# KiCad board processed.kicad_pcb (continued)
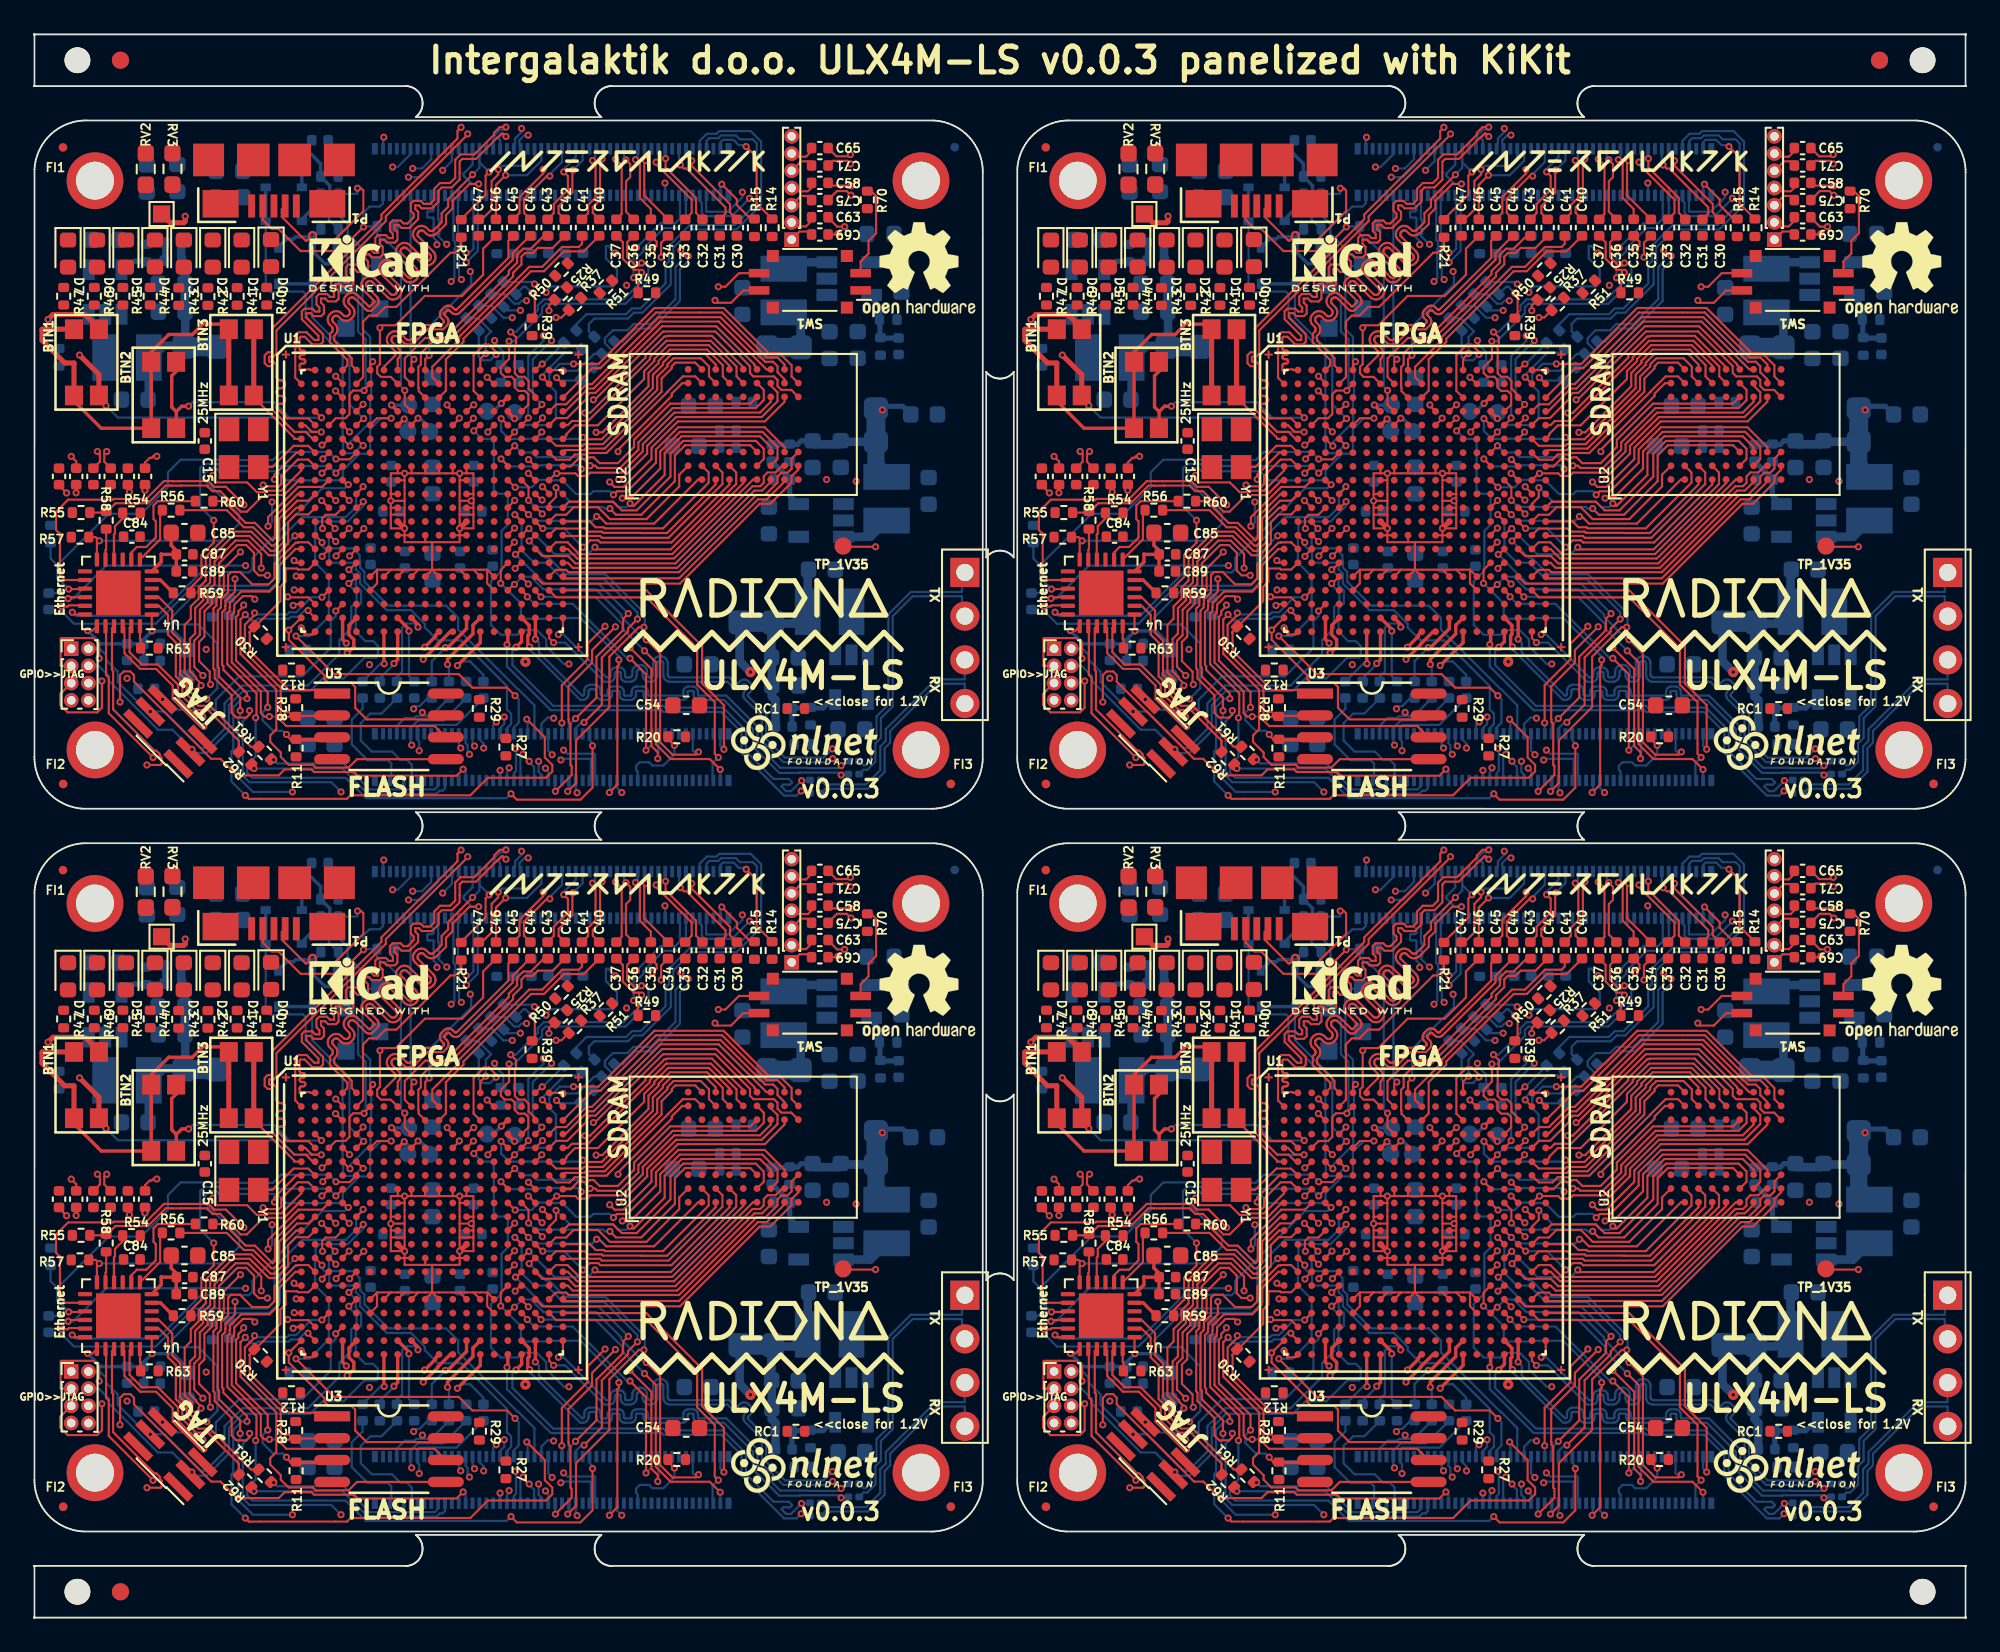
[diagram p0: board, top side]
## Routing (per net, layer and track width the routed paths; a pad name or vN(x,y) marks a point on that pad's centre or on a via; arc(x,y) is an arc through that point) (continued)
  Bottom w0.127: v1(46.37,50.49) 45.86,49.97 43.61,49.97 42.53,51.06 42.53,52.49 41.49,53.52 41.48,53.54 41.46,53.57 41.46,53.6 41.46,53.62 41.46,53.65 41.48,53.67 41.49,53.7 41.6,53.8 41.65,53.86 41.68,53.94 41.7,54.01 41.7,54.09 41.68,54.17 41.65,54.24 41.6,54.3 41.5,54.41 41.43,54.45 41.36,54.49 41.29,54.51 41.21,54.51 41.13,54.49 41.06,54.45 40.99,54.41 40.89,54.3 40.87,54.28 40.84,54.27 40.82,54.26 40.79,54.26 40.76,54.27 40.74,54.28 40.72,54.3 40.38,54.63 36.97,54.63 36.93,54.64 36.9,54.65 36.87,54.67 36.84,54.7 36.82,54.73 36.8,54.77 36.8,54.81 36.8,55.46 36.79,55.55 36.76,55.63 36.71,55.71 36.65,55.77 36.57,55.82 36.49,55.85 36.4,55.86 36.35,55.86 36.26,55.85 36.17,55.82 36.1,55.77 36.03,55.71 35.99,55.63 35.96,55.55 35.95,55.46 35.95,54.81 35.94,54.77 35.93,54.73 35.91,54.7 35.88,54.67 35.85,54.65 35.81,54.64 35.77,54.63 35.73,54.64 35.7,54.65 35.67,54.67 35.64,54.7 35.62,54.73 35.6,54.77 35.6,54.81 35.6,54.96 35.59,55.05 35.56,55.13 35.51,55.21 35.45,55.27 35.37,55.32 35.29,55.35 35.2,55.36 35.15,55.36 35.06,55.35 34.97,55.32 34.9,55.27 34.83,55.21 34.79,55.13 34.76,55.05 34.75,54.96 34.75,54.81 34.74,54.77 34.73,54.73 34.71,54.7 34.68,54.67 34.65,54.65 34.61,54.64 34.57,54.63 34.42,54.63 34.4,54.63 34.38,54.64 34.36,54.65 34.35,54.67 34.33,54.69 34.33,54.71 34.33,54.73 34.33,54.88 34.32,54.95 34.29,55.02 34.25,55.08 34.2,55.14 34.14,55.18 34.07,55.2 33.99,55.21 33.8,55.21 33.73,55.2 33.66,55.18 33.6,55.14 33.54,55.08 33.5,55.02 33.48,54.95 33.47,54.88 33.47,54.73 33.47,54.71 33.46,54.69 33.45,54.67 33.43,54.65 33.42,54.64 33.39,54.63 33.37,54.63 33.24,54.63 30.75,57.13 v1(30.45,57.13)
Board_0-/serdes/CLK_1_P: length 69.4
  Top w0.127: v1(47.08,80.83) 46.65,80.83 46.12,81.36 C63.2 ; U1.Y19 29.91,56.92 v1(30.17,56.66)
  In2.Cu w0.127: v1(46.39,49.92) 47.48,49.92 47.71,50.15 47.71,51.54 49.34,53.16 49.34,61.14 52.19,63.99 52.19,65.98 53.15,66.94 53.15,75.4 52.54,76 52.48,76.05 52.4,76.09 52.32,76.11 52.23,76.11 52.15,76.09 52.07,76.05 52.01,76 51.9,75.89 51.88,75.87 51.85,75.86 51.81,75.85 51.78,75.85 51.75,75.86 51.72,75.87 51.69,75.89 51.66,75.93 51.64,75.96 51.62,75.99 51.61,76.02 51.61,76.05 51.62,76.08 51.64,76.11 51.66,76.14 52.24,76.72 52.3,76.79 52.33,76.87 52.35,76.95 52.35,77.03 52.33,77.12 52.3,77.19 52.24,77.26 52.17,77.33 52.11,77.38 52.03,77.42 51.95,77.44 51.86,77.44 51.78,77.42 51.7,77.38 51.64,77.33 51.05,76.74 51.03,76.72 51,76.71 50.96,76.7 50.93,76.7 50.9,76.71 50.87,76.72 50.84,76.74 50.81,76.78 50.79,76.8 50.77,76.83 50.77,76.87 50.77,76.9 50.77,76.93 50.79,76.96 50.81,76.99 51.39,77.57 51.45,77.64 51.48,77.72 51.5,77.8 51.5,77.88 51.48,77.97 51.45,78.04 51.39,78.11 51.33,78.18 51.26,78.23 51.18,78.27 51.1,78.29 51.02,78.29 50.93,78.27 50.86,78.23 50.79,78.18 50.2,77.59 50.18,77.57 50.15,77.56 50.12,77.55 50.08,77.55 50.05,77.56 50.02,77.57 50,77.59 49.96,77.63 49.94,77.65 49.93,77.68 49.92,77.72 49.92,77.75 49.93,77.78 49.94,77.81 49.96,77.84 50.07,77.94 50.12,78.01 50.16,78.09 50.18,78.17 50.18,78.25 50.16,78.34 50.12,78.41 50.07,78.48 49.67,78.88 49.67,78.9 49.54,79.03 49.44,79.03 49.35,78.94 48.73,78.94 47.08,80.58 v1(47.08,80.83)
  Bottom w0.127: v1(30.17,56.66) 30.84,56.66 33.12,54.38 33.39,54.38 33.47,54.39 33.54,54.41 33.6,54.45 33.65,54.5 33.69,54.57 33.72,54.64 33.73,54.71 33.73,54.86 33.73,54.88 33.73,54.9 33.75,54.92 33.76,54.93 33.78,54.95 33.8,54.95 33.82,54.96 33.97,54.96 33.99,54.95 34.02,54.95 34.03,54.93 34.05,54.92 34.06,54.9 34.07,54.88 34.07,54.86 34.07,54.71 34.08,54.64 34.1,54.57 34.14,54.5 34.2,54.45 34.26,54.41 34.33,54.39 34.4,54.38 34.6,54.38 34.69,54.39 34.77,54.42 34.85,54.47 34.91,54.53 34.96,54.61 34.99,54.69 35,54.78 35,54.93 35,54.97 35.02,55.01 35.04,55.04 35.07,55.07 35.1,55.09 35.13,55.1 35.17,55.11 35.21,55.1 35.25,55.09 35.28,55.07 35.31,55.04 35.33,55.01 35.34,54.97 35.35,54.93 35.35,54.78 35.36,54.69 35.39,54.61 35.43,54.53 35.5,54.47 35.57,54.42 35.66,54.39 35.75,54.38 35.8,54.38 35.89,54.39 35.97,54.42 36.05,54.47 36.11,54.53 36.16,54.61 36.19,54.69 36.2,54.78 36.2,55.43 36.2,55.47 36.22,55.51 36.24,55.54 36.27,55.57 36.3,55.59 36.33,55.6 36.37,55.61 36.41,55.6 36.45,55.59 36.48,55.57 36.51,55.54 36.53,55.51 36.54,55.47 36.55,55.43 36.55,54.78 36.56,54.69 36.59,54.61 36.63,54.53 36.7,54.47 36.77,54.42 36.86,54.39 36.95,54.38 40.28,54.38 40.55,54.1 40.61,54.06 40.68,54.02 40.76,54 40.84,54 40.92,54.02 40.99,54.06 41.05,54.1 41.16,54.21 41.18,54.23 41.2,54.24 41.23,54.25 41.26,54.25 41.29,54.24 41.31,54.23 41.33,54.21 41.4,54.14 41.42,54.12 41.43,54.09 41.44,54.07 41.44,54.04 41.43,54.01 41.42,53.99 41.4,53.97 41.3,53.86 41.25,53.8 41.21,53.73 41.2,53.65 41.2,53.57 41.21,53.49 41.25,53.42 41.3,53.36 42.27,52.38 42.27,50.95 43.51,49.71 46.01,49.71 46.22,49.92 v1(46.39,49.92)
Board_0-/serdes/S_1_N: length 3.3
  Top w0.2: v1(20.89,55.45) 21.11,55.67 U1.Y8
  Bottom w0.127: v1(20.89,55.45) 20.89,55.41 20.07,54.59 C68.1
Board_0-/serdes/S_1_P: length 3.6
  Top w0.2: U1.Y7 20.31,55.44 v1(20.33,55.43)
  Bottom w0.127: v1(20.33,55.43) 20.1,55.43 C62.2
Board_0-/serdes/S_2_N: length 32.6
  Top w0.127: v1(5.52,65.42) 5.52,65.75 C72.1
  Top w0.2: U1.W5 18.28,57.66 18.28,57.12 18.56,56.83 18.56,56.41 18.2,56.06 v1(18.17,56.06)
  In2.Cu w0.127: v1(5.52,65.42) 5.87,65.07 5.87,63.15 7.07,61.95 7.46,61.95 8.56,63.05 8.74,63.05 8.74,62.87 7.2,61.33 7.2,60.95 7.36,60.79 7.74,60.79 8.82,61.87 9,61.87 9,61.69 7.92,60.61 7.92,60.23 8.08,60.07 8.46,60.07 9.36,60.97 9.54,60.97 9.54,60.8 8.64,59.89 8.64,59.52 8.8,59.35 9.17,59.35 9.34,59.51 9.5,59.51 11.4,57.62 12.98,57.62 13.67,56.92 13.67,56.74 13.42,56.49 13.42,56.31 13.6,56.31 13.85,56.56 14.03,56.56 14.03,56.38 14.03,56.38 14.03,56.2 14.21,56.2 14.21,56.21 14.39,56.21 14.62,55.98 18.09,55.98 v1(18.17,56.06)
Board_0-/serdes/S_2_P: length 30
  Top w0.127: v1(6.42,65.51) 6.43,65.52 C55.2
  Top w0.2: U1.W4 17.91,56.84 v1(18.12,56.62)
  In2.Cu w0.127: v1(18.12,56.62) 17.75,56.25 14.71,56.25 13.09,57.87 11.51,57.87 9.61,59.77 9.23,59.77 9.07,59.6 8.91,59.6 8.89,59.62 8.89,59.78 9.8,60.69 9.8,61.08 9.65,61.23 9.26,61.23 8.35,60.32 8.19,60.32 8.17,60.34 8.17,60.5 9.25,61.59 9.25,61.98 9.11,62.12 8.72,62.12 7.63,61.04 7.47,61.04 7.45,61.06 7.45,61.22 9,62.76 9,63.15 8.85,63.3 8.46,63.3 7.35,62.2 7.17,62.2 6.14,63.23 6.14,65.23 v1(6.42,65.51)
Board_0-/serdes/S_3_N: length 5
  Top w0.2: U1.W9 22.29,57.72 v1(22.29,57.56)
  Bottom w0.127: C73.1 21.07,54.68 21.36,54.97 21.36,57.51 21.62,57.77 22.08,57.77 v1(22.29,57.56)
Board_0-/serdes/S_3_P: length 4.1
  Top w0.2: U1.W8 21.76,57.44 v1(21.76,57.33)
  Bottom w0.127: C56.2 21.76,54.7 v1(21.76,57.33)
Board_0-/serdes/S_4_P: length 4.8
  Top w0.2: U1.Y14 25.91,56.66 v1(24.58,55.33)
  Bottom w0.127: C64.2 26.09,54.78 25.31,55.56 24.82,55.56 v1(24.58,55.33)
Board_0-/serdes/S_5_N: length 72
  Top w0.127: C71.1 46.39,84.66 47.24,84.66 v1(47.42,84.47)
  Top w0.2: v1(27.98,56.39) 28.31,56.72 U1.Y17
  In2.Cu w0.127: v1(44.58,48.64) 45.15,48.06 47.91,48.06 48.97,49.13 48.97,51.48 51.59,54.1 51.59,61.16 54.03,63.6 54.03,77.76 49.21,82.58 49.21,83.4 48,84.62 47.57,84.62 v1(47.42,84.47)
  Bottom w0.127: C93.2 45.03,48.64 v1(44.58,48.64) 43.97,48.03 43.68,48.03 43.41,48.3 43.52,48.41 43.91,48.41 44.01,48.51 44.01,48.57 43.84,48.74 42.95,48.74 41.35,50.34 41.35,51.55 40.02,52.88 36.65,52.88 36.55,52.98 30.15,52.98 27.78,55.35 27.78,56.18 v1(27.98,56.39)
Board_0-/serdes/S_5_P: length 71.7
  Top w0.127: v1(47.42,85.02) 47.32,84.92 46.6,84.92 C65.2
  Top w0.2: v1(27.46,56.54) 27.51,56.59 U1.Y16
  In2.Cu w0.127: v1(44.56,48.04) 44.79,47.81 48.01,47.81 49.23,49.02 49.23,51.37 51.85,53.99 51.85,61.05 54.29,63.49 54.29,77.87 49.47,82.69 49.47,83.51 48.1,84.87 47.57,84.87 v1(47.42,85.02)
  Bottom w0.127: C94.2 44.97,47.99 44.79,47.99 44.74,48.04 v1(44.56,48.04) 44.29,47.77 43.56,47.77 41.09,50.23 41.09,51.44 39.91,52.62 36.55,52.62 36.44,52.73 30.01,52.73 27.46,55.27 v1(27.46,56.54)
Board_0-/serdes/S_6_N: length 4.5
  Top w0.2: v1(24,55.39) 24,55.69 25.48,57.17 25.48,57.67 U1.W14
  Bottom w0.127: C74.1 24.09,55.3 v1(24,55.39)
Board_0-/serdes/S_6_P: length 4.6
  Top w0.2: v1(23.88,56.37) 24.01,56.37 25.11,57.46 U1.W13
  Bottom w0.127: v1(23.88,56.37) 23.09,55.57 C57.2
Board_0-/serdes/S_7_N: length 70.3
  Top w0.127: C75.1 46.12,82.39 46.63,82.9 47.21,82.9 v1(47.45,82.65)
  Top w0.2: U1.W18 29.11,56.86 v1(29.11,56.86)
  In2.Cu w0.127: v1(46.88,49.51) 47.04,49.35 47.75,49.35 48.23,49.83 48.23,51.58 50.49,53.84 50.49,61.38 52.76,63.66 52.76,65.82 53.48,66.53 53.48,77.25 51.07,79.66 51.04,79.68 51,79.7 50.97,79.71 50.93,79.71 50.9,79.7 50.86,79.68 50.84,79.66 50.44,79.26 50.37,79.2 50.28,79.16 50.19,79.14 50.1,79.14 50.01,79.16 49.93,79.2 49.85,79.26 49.82,79.3 49.76,79.37 49.72,79.45 49.7,79.54 49.7,79.64 49.72,79.73 49.76,79.81 49.82,79.88 50.22,80.28 50.24,80.31 50.25,80.34 50.26,80.38 50.26,80.41 50.25,80.45 50.24,80.48 50.22,80.51 49.71,81.02 49.66,81.06 49.6,81.09 49.54,81.1 49.47,81.1 49.41,81.09 49.36,81.06 49.26,80.98 49.2,80.95 49.14,80.94 49.07,80.94 49.01,80.95 48.96,80.98 48.91,81.02 48.88,81.05 48.84,81.09 48.81,81.15 48.8,81.21 48.8,81.28 48.81,81.34 48.84,81.39 48.92,81.49 48.95,81.55 48.96,81.61 48.96,81.68 48.95,81.74 48.92,81.79 48.88,81.84 47.94,82.79 47.58,82.79 v1(47.45,82.65)
  Bottom w0.127: C91.2 47.15,49.78 v1(46.88,49.51) 46.73,49.36 44.95,49.36 44.93,49.38 43.34,49.38 42.02,50.71 42.02,51.77 40.21,53.58 38.63,53.58 38.62,53.58 38.6,53.59 38.59,53.59 38.58,53.61 38.57,53.62 38.56,53.63 38.56,53.65 38.56,53.8 38.55,53.87 38.53,53.93 38.49,53.99 38.44,54.04 38.39,54.07 38.32,54.1 38.25,54.1 38.01,54.1 37.95,54.1 37.88,54.07 37.82,54.04 37.77,53.99 37.74,53.93 37.71,53.87 37.71,53.8 37.71,53.65 37.7,53.63 37.7,53.62 37.69,53.61 37.68,53.59 37.66,53.59 37.65,53.58 37.63,53.58 35.73,53.58 35.71,53.58 35.69,53.59 35.68,53.59 35.67,53.61 35.66,53.62 35.66,53.63 35.65,53.65 35.65,53.8 35.65,53.87 35.62,53.93 35.59,53.99 35.54,54.04 35.48,54.07 35.41,54.1 35.35,54.1 35.01,54.1 34.94,54.1 34.87,54.07 34.82,54.04 34.77,53.99 34.73,53.93 34.71,53.87 34.7,53.8 34.7,53.65 34.7,53.63 34.69,53.62 34.68,53.61 34.67,53.59 34.66,53.59 34.64,53.58 34.63,53.58 34.33,53.58 34.31,53.58 34.29,53.59 34.28,53.59 34.27,53.61 34.26,53.62 34.26,53.63 34.25,53.65 34.25,53.8 34.25,53.87 34.22,53.93 34.19,53.99 34.14,54.04 34.08,54.07 34.01,54.1 33.95,54.1 33.61,54.1 33.54,54.1 33.47,54.07 33.42,54.04 33.37,53.99 33.33,53.93 33.31,53.87 33.3,53.8 33.3,53.65 33.3,53.63 33.29,53.62 33.28,53.61 33.27,53.59 33.26,53.59 33.24,53.58 33.23,53.58 33.03,53.58 33,53.58 32.97,53.59 32.95,53.6 32.93,53.62 32.92,53.65 32.91,53.67 32.9,53.7 32.9,53.85 32.89,53.93 32.87,54 32.83,54.07 32.77,54.13 32.7,54.17 32.63,54.2 32.55,54.2 32.3,54.2 32.23,54.2 32.15,54.17 32.08,54.13 32.03,54.07 31.98,54 31.96,53.93 31.95,53.85 31.95,53.7 31.95,53.67 31.94,53.65 31.92,53.62 31.9,53.6 31.88,53.59 31.85,53.58 31.83,53.58 29.32,56.09 29.32,56.65 v1(29.11,56.86)
Board_0-/serdes/S_7_P: length 70.9
  Top w0.127: v1(47.46,83.21) 47.45,83.22 46.28,83.22 C58.2
  Top w0.2: v1(28.78,56.41) 28.67,56.52 28.67,57.07 28.75,57.14 28.75,57.66 U1.W17
  In2.Cu w0.127: v1(46.88,48.96) 46.99,49.08 47.84,49.08 48.49,49.72 48.49,51.47 50.75,53.74 50.75,61.29 53.02,63.55 53.02,65.71 53.73,66.43 53.73,77.38 51.24,79.87 51.17,79.93 51.09,79.97 51,79.99 50.9,79.99 50.81,79.97 50.73,79.93 50.66,79.87 50.26,79.47 50.23,79.45 50.2,79.44 50.16,79.43 50.13,79.43 50.09,79.44 50.06,79.45 50.03,79.47 50.01,79.5 49.99,79.54 49.98,79.57 49.98,79.61 49.99,79.64 50.01,79.68 50.03,79.7 50.43,80.1 50.49,80.17 50.53,80.26 50.55,80.35 50.55,80.44 50.53,80.53 50.49,80.61 50.43,80.69 48.07,83.05 47.62,83.05 v1(47.46,83.21)
  Bottom w0.127: C92.2 46.93,49.02 v1(46.88,48.96) 46.73,49.11 44.48,49.11 44.45,49.09 43.28,49.09 41.76,50.61 41.76,51.63 40.07,53.32 38.61,53.32 38.55,53.33 38.48,53.35 38.42,53.39 38.37,53.44 38.34,53.5 38.31,53.56 38.31,53.63 38.31,53.78 38.3,53.79 38.3,53.81 38.29,53.82 38.28,53.84 38.26,53.84 38.25,53.85 38.23,53.85 38.03,53.85 38.02,53.85 38,53.84 37.99,53.84 37.98,53.82 37.97,53.81 37.96,53.79 37.96,53.78 37.96,53.63 37.95,53.56 37.93,53.5 37.89,53.44 37.84,53.39 37.79,53.35 37.72,53.33 37.65,53.32 35.71,53.32 35.64,53.33 35.57,53.35 35.52,53.39 35.47,53.44 35.43,53.5 35.41,53.56 35.4,53.63 35.4,53.78 35.4,53.79 35.39,53.81 35.38,53.82 35.37,53.84 35.36,53.84 35.34,53.85 35.33,53.85 35.03,53.85 35.01,53.85 34.99,53.84 34.98,53.84 34.97,53.82 34.96,53.81 34.96,53.79 34.95,53.78 34.95,53.63 34.95,53.56 34.92,53.5 34.89,53.44 34.84,53.39 34.78,53.35 34.71,53.33 34.65,53.32 34.31,53.32 34.24,53.33 34.17,53.35 34.12,53.39 34.07,53.44 34.03,53.5 34.01,53.56 34,53.63 34,53.78 34,53.79 33.99,53.81 33.98,53.82 33.97,53.84 33.96,53.84 33.94,53.85 33.93,53.85 33.63,53.85 33.61,53.85 33.59,53.84 33.58,53.84 33.57,53.82 33.56,53.81 33.56,53.79 33.55,53.78 33.55,53.63 33.55,53.56 33.52,53.5 33.49,53.44 33.44,53.39 33.38,53.35 33.31,53.33 33.25,53.32 33,53.32 32.93,53.33 32.85,53.36 32.78,53.4 32.73,53.46 32.68,53.53 32.66,53.6 32.65,53.68 32.65,53.83 32.65,53.86 32.64,53.88 32.62,53.9 32.6,53.92 32.58,53.94 32.55,53.95 32.53,53.95 32.33,53.95 32.3,53.95 32.27,53.94 32.25,53.92 32.23,53.9 32.22,53.88 32.21,53.86 32.2,53.83 32.2,53.68 32.19,53.6 32.17,53.53 32.13,53.46 32.07,53.4 32,53.36 31.93,53.33 31.85,53.32 31.72,53.32 28.78,56.26 v1(28.78,56.41)
Board_0-BTN1: length 25.5
  Top w0.127: v1(4.16,70.43) 4.16,70.61 BTN1.2 ; U1.E1 15.73,69.3 16.12,68.9 16.66,68.9 v1(16.67,68.9)
  Top w0.3: BTN1.2 3.75,72.24 v1(2.62,73.37) ; BTN1.2 3.75,74.92 2.94,75.72 1.08,75.72 v1(0.79,75.44)
  In2.Cu w0.3: v1(2.62,73.37) 1.03,73.37 0.5,73.9 0.5,75.15 v1(0.79,75.44)
  Bottom w0.127: v1(16.67,68.9) 15.1,68.9 14.26,69.74 4.85,69.74 v1(4.16,70.43)
Board_0-BTN2: length 13.6
  Top w0.127: U1.D2 v1(16.68,69.73)
  Top w0.2: 8.25,70.08 7.98,70.35 7.98,72.17 8.23,72.42 BTN2.2 ; 8.25,70.08 8.25,69.13 BTN2.2 ; 8.25,70.08 8.56,70.4 v1(8.96,70.4)
  Bottom w0.127: v1(8.96,70.4) 9.19,70.63 13.92,70.63 14.82,69.73 v1(16.68,69.73)
Board_0-BTN3: length 7.8
  Top w0.127: U1.F1 15.1,68.5 15.1,68.56 12.75,70.91 BTN3.2
  Top w0.3: BTN3.2 BTN3.2
Board_0-CAM0_C_N: length 31.9
  Top w0.127: U1.E2 15.92,69.69 14.69,69.69 14.06,70.31 14.07,70.36 14.09,70.41 14.11,70.45 14.15,70.49 14.19,70.51 14.24,70.53 14.29,70.54 14.34,70.54 14.39,70.54 14.44,70.56 14.48,70.59 14.51,70.62 14.54,70.66 14.56,70.71 14.56,70.76 14.56,70.81 14.54,70.86 14.51,70.9 14.48,70.94 14.44,70.97 14.39,70.98 14.34,70.99 14.29,70.99 14.24,71 14.19,71.01 14.15,71.04 14.11,71.08 14.09,71.12 14.07,71.17 14.06,71.22 14.07,71.27 14.09,71.32 14.11,71.36 14.15,71.39 14.19,71.42 14.24,71.44 14.29,71.44 14.34,71.44 14.39,71.45 14.44,71.47 14.48,71.49 14.51,71.53 14.54,71.57 14.56,71.62 14.56,71.67 14.56,71.72 14.54,71.77 14.51,71.81 14.48,71.85 14.44,71.88 14.39,71.89 14.34,71.9 14.29,71.9 14.24,71.9 14.19,71.92 14.15,71.95 14.11,71.98 14.09,72.03 14.07,72.07 14.06,72.13 14.06,72.8 13.89,72.98 13.66,72.98 13.64,73 13.64,73.25 13.66,73.27 13.89,73.27 14.06,73.45 14.06,74.8 20.42,81.16 20.42,81.43 25.18,86.18 v1(25.18,86.22)
  In2.Cu w0.127: v1(25.18,86.22) 24.97,86.22 24.53,85.77 24.53,85.58 24.75,85.35 26.23,85.35 26.23,85.36 26.26,85.35 27.33,85.35 28.31,86.33 v1(28.31,86.53)
  Bottom w0.127: J2.40 27.86,85.57 27.93,85.64 27.93,85.95 28.31,86.33 v1(28.31,86.53)
Board_0-CAM0_C_P: length 32.3
  Top w0.127: U1.F2 16.17,68.5 15.76,68.9 15.11,68.9 13.81,70.2 13.81,72.7 13.79,72.72 13.55,72.72 13.38,72.9 13.38,73.35 13.55,73.53 13.79,73.53 13.81,73.55 13.81,74.91 20.17,81.26 20.17,81.53 24.58,85.95 24.58,86.39 v1(24.79,86.6)
  In2.Cu w0.127: v1(24.79,86.6) 24.79,86.4 24.27,85.88 24.27,85.47 24.65,85.1 27.44,85.1 28.49,86.15 v1(28.69,86.15)
  Bottom w0.127: J2.42 28.26,85.57 28.19,85.64 28.19,85.85 28.49,86.15 v1(28.69,86.15)
Board_0-CAM0_D0_N: length 32.1
  Top w0.127: v1(25.82,83.31) 25.29,83.31 24.3,82.32 24.3,81.88 23.92,81.5 23.92,80.98 23.37,80.44 23.3,80.38 23.21,80.33 23.11,80.31 23.01,80.31 22.92,80.33 22.83,80.38 22.75,80.44 22.64,80.55 22.6,80.58 22.56,80.6 22.51,80.61 22.47,80.61 22.42,80.6 22.38,80.58 22.34,80.55 22.33,80.53 22.3,80.5 22.28,80.45 22.27,80.41 22.27,80.32 22.28,80.29 22.29,80.27 23.18,79.39 23.18,79.38 23.24,79.3 23.28,79.21 23.31,79.11 23.31,79.01 23.28,78.92 23.24,78.82 23.18,78.75 23.14,78.71 23.06,78.64 22.97,78.6 22.87,78.58 22.77,78.58 22.67,78.6 22.58,78.64 22.5,78.71 21.65,79.56 21.61,79.59 21.57,79.61 21.52,79.62 21.48,79.62 21.43,79.61 21.39,79.59 21.35,79.56 21.34,79.55 21.31,79.51 21.29,79.46 21.28,79.42 21.28,79.37 21.29,79.32 22.19,78.42 22.19,78.39 22.25,78.31 22.29,78.22 22.32,78.12 22.32,78.02 22.29,77.93 22.25,77.83 22.19,77.76 22.15,77.72 22.07,77.65 21.98,77.61 21.88,77.59 21.78,77.59 21.68,77.61 21.59,77.65 21.51,77.72 20.66,78.57 20.62,78.6 20.58,78.62 20.53,78.63 20.49,78.63 20.44,78.62 20.4,78.6 20.36,78.57 20.35,78.56 20.32,78.52 20.3,78.47 20.29,78.43 20.29,78.38 20.3,78.33 20.32,78.29 21.2,77.41 21.2,77.4 21.26,77.32 21.3,77.23 21.33,77.13 21.33,77.03 21.3,76.94 21.26,76.84 21.2,76.77 21.16,76.73 21.08,76.66 20.99,76.62 20.89,76.6 20.79,76.6 20.69,76.62 20.6,76.66 20.52,76.73 19.64,77.61 19.6,77.64 19.56,77.66 19.51,77.67 19.46,77.67 19.41,77.66 19.37,77.64 19.33,77.61 19.3,77.57 19.27,77.52 19.26,77.47 19.26,77.42 19.27,77.38 19.92,76.73 19.92,76.69 19.97,76.64 20,76.58 20.01,76.52 20.01,76.45 20,76.38 19.97,76.32 19.92,76.27 19.67,76.02 19.62,75.98 19.56,75.95 19.5,75.93 19.43,75.93 19.36,75.95 19.3,75.98 19.25,76.02 18.62,76.65 18.58,76.68 18.53,76.71 18.49,76.72 18.44,76.72 18.39,76.71 18.34,76.68 18.3,76.65 18.27,76.61 18.25,76.57 18.24,76.52 18.24,76.47 18.25,76.42 18.27,76.38 18.3,76.34 18.47,76.17 18.53,76.09 18.58,76 18.6,75.9 18.6,75.8 18.58,75.7 18.53,75.61 18.47,75.53 18.42,75.48 18.34,75.42 18.25,75.38 18.16,75.36 18.06,75.36 17.96,75.38 17.87,75.42 17.79,75.48 17.69,75.59 17.65,75.62 17.6,75.64 17.56,75.65 17.51,75.65 17.46,75.64 17.42,75.62 17.38,75.59 17.37,75.58 17.34,75.54 17.32,75.5 17.31,75.45 17.31,75.4 17.32,75.36 17.34,75.31 17.37,75.28 17.48,75.17 17.54,75.09 17.58,75 17.61,74.91 17.61,74.81 17.58,74.71 17.54,74.62 17.48,74.54 17.43,74.49 17.43,74.2 18.44,73.19 18.44,72.77 U1.A5
  Bottom w0.127: J2.28 25.46,84.43 24.94,83.91 24.94,83.79 25.41,83.31 v1(25.82,83.31)
Board_0-CAM0_D0_P: length 36.1
  Top w0.127: v1(26.43,84) 26.22,83.79 26.22,82.68 24.8,81.26 R21.1 ; v1(25.46,83.85) 24.76,83.15 24.76,83.14 24.04,82.43 24.04,81.99 23.66,81.61 23.66,81.09 23.21,80.64 23.18,80.61 23.13,80.59 23.09,80.58 23.04,80.58 22.99,80.59 22.95,80.61 22.91,80.64 22.8,80.75 22.73,80.81 22.64,80.85 22.54,80.87 22.44,80.87 22.35,80.85 22.26,80.81 22.18,80.75 22.13,80.7 22.07,80.62 22.02,80.53 22,80.43 22,80.33 22.02,80.24 22.07,80.15 22.13,80.07 22.98,79.22 23.01,79.18 23.03,79.14 23.04,79.09 23.04,79.04 23.03,78.99 23.01,78.95 22.98,78.91 22.94,78.88 22.89,78.85 22.85,78.84 22.8,78.84 22.75,78.85 22.7,78.88 22.66,78.91 21.81,79.76 21.74,79.82 21.65,79.86 21.55,79.88 21.45,79.88 21.36,79.86 21.27,79.82 21.19,79.76 21.14,79.71 21.08,79.63 21.03,79.54 21.01,79.44 21.01,79.34 21.03,79.25 21.08,79.16 21.14,79.08 21.99,78.23 22.02,78.19 22.04,78.15 22.05,78.1 22.05,78.05 22.04,78 22.02,77.96 21.99,77.92 21.95,77.89 21.9,77.86 21.86,77.85 21.81,77.85 21.76,77.86 21.71,77.89 21.67,77.92 20.82,78.77 20.75,78.83 20.66,78.87 20.56,78.89 20.46,78.89 20.37,78.87 20.28,78.83 20.2,78.77 20.15,78.72 20.09,78.64 20.04,78.55 20.02,78.45 20.02,78.35 20.04,78.26 20.09,78.17 20.15,78.09 21,77.24 21.03,77.2 21.05,77.16 21.06,77.11 21.06,77.06 21.05,77.01 21.03,76.97 21,76.93 20.96,76.9 20.91,76.87 20.87,76.86 20.82,76.86 20.77,76.87 20.72,76.9 20.68,76.93 19.8,77.81 19.72,77.87 19.63,77.91 19.54,77.93 19.44,77.93 19.34,77.91 19.25,77.87 19.17,77.81 19.13,77.77 19.07,77.69 19.02,77.6 19,77.5 19,77.4 19.02,77.3 19.07,77.21 19.13,77.13 19.73,76.53 19.74,76.52 19.75,76.5 19.75,76.49 19.75,76.48 19.75,76.46 19.74,76.45 19.73,76.44 19.51,76.21 19.5,76.2 19.48,76.2 19.47,76.19 19.45,76.19 19.44,76.2 19.43,76.2 19.42,76.21 18.78,76.85 18.7,76.91 18.61,76.96 18.51,76.98 18.41,76.98 18.31,76.96 18.22,76.91 18.14,76.85 18.1,76.81 18.04,76.73 18,76.64 17.97,76.55 17.97,76.44 18,76.35 18.04,76.26 18.1,76.18 18.27,76.01 18.3,75.97 18.32,75.93 18.33,75.88 18.33,75.83 18.32,75.78 18.3,75.73 18.27,75.69 18.26,75.68 18.22,75.65 18.18,75.63 18.13,75.62 18.08,75.62 18.04,75.63 17.99,75.65 17.95,75.68 17.85,75.79 17.77,75.85 17.68,75.89 17.58,75.92 17.48,75.92 17.39,75.89 17.3,75.85 17.22,75.79 17.17,75.74 17.11,75.66 17.07,75.57 17.04,75.48 17.04,75.38 17.07,75.28 17.11,75.19 17.17,75.12 17.28,75.01 17.31,74.97 17.33,74.93 17.34,74.88 17.34,74.83 17.33,74.79 17.31,74.74 17.28,74.7 17.17,74.6 17.17,74.09 18.18,73.08 18.18,72.77 U1.A4
  Bottom w0.127: v1(26.43,84) 25.86,84.57 J2.30 25.86,84.25 v1(25.46,83.85)
Board_0-CAM0_D1_N: length 32
  Top w0.127: v1(27.4,86.61) 27.04,86.61 26.71,86.29 26.71,86.17 25.66,85.13 25.56,85.03 24.76,85.03 24.45,84.72 24.45,83.67 24.15,83.37 23.57,83.37 23.23,83.03 23.23,82.39 23,82.16 22.82,82.16 22.82,82.16 22.62,82.16 22.45,82.33 22.03,82.33 21.87,82.17 21.87,81.75 22.04,81.58 22.04,81.38 21.68,81.02 21.44,81.02 21.27,81.19 20.82,81.19 20.66,81.03 20.66,80.57 20.83,80.4 20.83,80.17 20.83,80.16 20.59,80.16 20.42,80.33 19.96,80.33 19.81,80.18 19.81,79.72 19.98,79.55 19.98,79.31 19.97,79.31 19.74,79.31 19.57,79.48 19.11,79.48 18.95,79.32 18.95,78.87 19.12,78.7 19.12,78.46 19.12,78.45 18.88,78.45 18.71,78.62 18.26,78.62 18.1,78.47 18.1,78.01 18.27,77.84 18.27,77.6 18.27,77.6 18.03,77.6 17.86,77.77 17.4,77.77 17.24,77.61 17.24,77.16 17.41,76.99 17.41,76.75 17.41,76.75 17.17,76.75 17,76.92 16.55,76.92 16.39,76.76 16.39,76.3 16.56,76.13 16.56,75.89 16.32,75.89 16.15,76.06 15.7,76.06 15.54,75.91 15.54,75.45 16.51,74.48 16.51,74.24 16.27,74.24 15.82,74.69 15.36,74.69 15.16,74.49 15.16,72.05 U1.B1
  Bottom w0.127: J2.34 26.66,85.85 26.73,85.92 26.73,86.14 27.06,86.47 27.25,86.47 v1(27.4,86.61)
Board_0-CAM0_D1_P: length 32
  Top w0.127: U1.A2 16.05,72.5 16.01,72.54 15.68,72.54 15.6,72.46 15.46,72.46 15.41,72.51 15.41,72.75 15.41,72.77 15.42,72.8 15.44,72.82 15.46,72.84 15.48,72.86 15.51,72.87 15.54,72.87 15.61,72.87 15.64,72.88 15.67,72.88 15.69,72.9 15.71,72.92 15.73,72.94 15.74,72.97 15.74,73 15.74,73.03 15.73,73.05 15.71,73.08 15.69,73.1 15.67,73.11 15.64,73.12 15.61,73.13 15.54,73.13 15.51,73.13 15.48,73.14 15.46,73.15 15.44,73.17 15.42,73.2 15.41,73.22 15.41,73.25 15.41,73.28 15.42,73.31 15.44,73.33 15.46,73.35 15.48,73.37 15.51,73.38 15.54,73.38 15.61,73.38 15.64,73.38 15.67,73.39 15.69,73.41 15.71,73.43 15.73,73.45 15.74,73.48 15.74,73.51 15.74,73.54 15.73,73.56 15.71,73.59 15.69,73.61 15.67,73.62 15.64,73.63 15.61,73.63 15.54,73.63 15.51,73.64 15.48,73.65 15.46,73.66 15.44,73.68 15.42,73.71 15.41,73.73 15.41,73.76 15.41,74.37 15.47,74.43 15.71,74.43 16.16,73.98 16.62,73.98 16.77,74.13 16.77,74.59 15.8,75.56 15.8,75.8 15.8,75.8 16.04,75.8 16.21,75.63 16.67,75.63 16.82,75.79 16.82,76.24 16.65,76.41 16.65,76.65 16.66,76.65 16.89,76.65 17.06,76.48 17.52,76.48 17.68,76.64 17.68,77.1 17.51,77.27 17.51,77.5 17.51,77.51 17.75,77.51 17.92,77.34 18.37,77.34 18.53,77.49 18.53,77.95 18.36,78.12 18.36,78.36 18.36,78.36 18.6,78.36 18.77,78.19 19.23,78.19 19.38,78.35 19.38,78.8 19.22,78.97 19.22,79.21 19.22,79.22 19.46,79.22 19.63,79.05 20.08,79.05 20.24,79.2 20.24,79.66 20.07,79.83 20.07,80.07 20.07,80.07 20.31,80.07 20.48,79.9 20.94,79.9 21.09,80.06 21.09,80.51 20.92,80.68 20.92,80.92 20.93,80.92 21.17,80.92 21.33,80.75 21.79,80.75 22.3,81.27 22.3,81.69 22.13,81.86 22.13,82.06 22.14,82.06 22.34,82.06 22.51,81.89 23.1,81.89 23.49,82.28 23.49,82.92 23.67,83.11 24.25,83.11 24.71,83.56 24.71,83.97 24.71,83.97 24.71,84.62 24.86,84.77 25.66,84.77 26.89,86 26.9,86 27.14,86.24 27.23,86.24 v1(27.4,86.07)
  Bottom w0.127: v1(27.4,86.07) 27.25,86.21 27.17,86.21 26.98,86.03 26.98,85.92 27.06,85.85 J2.36
Board_0-CAM1_C_N: length 20.3
  Top w0.127: U1.F3 16.75,68.14 v1(16.71,68.14)
  In2.Cu w0.127: v1(25.09,79.31) 24.79,79.31 22.27,76.78 22.27,75 19.85,72.58 19.18,72.58 18.22,71.62 18.22,71.13 18.21,71.1 18.2,71.07 18.19,71.05 18.17,71.03 18.14,71.01 18.12,71 18.09,71 17.9,71 17.87,71 17.84,70.99 17.82,70.97 17.8,70.95 17.78,70.93 17.77,70.9 17.77,70.87 17.77,70.85 17.78,70.82 17.8,70.8 17.82,70.77 17.84,70.76 17.87,70.75 17.9,70.75 18.09,70.75 18.12,70.74 18.14,70.73 18.17,70.72 18.19,70.7 18.2,70.68 18.21,70.65 18.22,70.62 17.7,70.1 17.69,70.1 17.68,70.09 17.67,70.09 17.66,70.09 17.65,70.09 17.64,70.1 17.62,70.11 17.61,70.12 17.6,70.12 17.59,70.12 17.58,70.12 17.57,70.11 17.56,70.1 17.45,69.99 17.44,69.99 17.44,69.98 17.43,69.97 17.43,69.95 17.44,69.94 17.44,69.93 17.46,69.92 17.46,69.91 17.46,69.89 17.46,69.88 17.46,69.87 17.46,69.86 17.45,69.85 17.34,69.74 17.33,69.74 17.32,69.73 17.31,69.73 17.3,69.73 17.29,69.73 17.28,69.74 17.26,69.75 17.25,69.76 17.24,69.76 17.23,69.76 17.22,69.76 17.21,69.75 17.2,69.74 17.09,69.64 17.08,69.63 17.08,69.62 17.08,69.61 17.08,69.59 17.08,69.58 17.08,69.57 17.1,69.56 17.1,69.55 17.1,69.54 17.1,69.52 17.1,69.51 17.1,69.5 17.09,69.49 17.09,68.63 16.71,68.26 v1(16.71,68.14)
  Bottom w0.127: v1(25.09,79.31) 25.27,79.31 25.51,79.55 25.51,82.59 J2.27
Board_0-CAM1_C_P: length 20.3
  Top w0.127: U1.G3 16.76,67.34 v1(16.76,67.33)
  In2.Cu w0.127: v1(16.76,67.33) 17.13,67.7 17.13,68.32 17.35,68.54 17.35,69.4 18.49,70.54 18.49,71.54 19.28,72.33 19.95,72.33 22.52,74.9 22.52,76.67 24.61,78.75 v1(25.1,78.75)
  Bottom w0.127: J2.29 25.77,82.55 25.77,79.42 v1(25.1,78.75)
Board_0-CAM1_D0_N: length 19.3
  Top w0.127: U1.B4 17.91,71.74 v1(17.51,72.14)
  In2.Cu w0.127: v1(17.51,72.14) 17.86,72.14 18.4,72.68 18.42,72.72 18.44,72.76 18.45,72.8 18.45,72.84 18.44,72.88 18.42,72.92 18.4,72.96 18.18,73.17 18.12,73.25 18.08,73.34 18.06,73.43 18.06,73.53 18.08,73.62 18.12,73.71 18.18,73.78 18.22,73.82 18.29,73.88 18.38,73.92 18.47,73.94 18.57,73.94 18.66,73.92 18.75,73.88 18.82,73.82 19.04,73.6 19.08,73.57 19.11,73.56 19.16,73.55 19.2,73.55 19.24,73.56 19.28,73.57 19.32,73.6 19.39,73.67 19.42,73.67 20.51,74.76 20.57,74.81 20.63,74.84 20.7,74.85 20.77,74.85 20.84,74.84 20.9,74.81 20.95,74.76 21.06,74.66 21.07,74.65 21.08,74.64 21.1,74.64 21.12,74.64 21.13,74.64 21.14,74.65 21.16,74.66 21.26,74.76 21.27,74.77 21.28,74.79 21.28,74.8 21.28,74.82 21.28,74.83 21.27,74.85 21.26,74.86 21.16,74.97 21.11,75.02 21.08,75.08 21.07,75.15 21.07,75.22 21.08,75.29 21.11,75.35 21.16,75.41 21.17,75.42 21.17,75.42 21.17,76.65 21.85,77.33 21.87,77.35 21.89,77.38 21.9,77.42 21.9,77.45 21.89,77.48 21.87,77.51 21.85,77.53 21.64,77.75 21.59,77.82 21.55,77.89 21.53,77.98 21.53,78.06 21.55,78.15 21.59,78.22 21.64,78.29 21.67,78.32 21.74,78.38 21.82,78.41 21.9,78.43 21.99,78.43 22.07,78.41 22.15,78.38 22.21,78.32 22.43,78.11 22.45,78.09 22.48,78.07 22.51,78.07 22.55,78.07 22.58,78.07 22.61,78.09 22.63,78.11 22.65,78.13 22.67,78.16 22.67,78.19 22.67,78.23 22.67,78.26 22.65,78.29 22.63,78.31 22.42,78.53 22.36,78.59 22.33,78.67 22.31,78.75 22.31,78.84 22.33,78.92 22.36,79 22.42,79.07 22.45,79.1 22.52,79.15 22.59,79.19 22.68,79.21 22.76,79.21 22.85,79.19 22.92,79.15 22.99,79.1 23.21,78.89 23.23,78.86 23.26,78.85 23.29,78.84 23.32,78.84 23.36,78.85 23.38,78.86 23.41,78.89 23.74,79.22 23.74,79.44 v1(23.39,79.79)
  Bottom w0.127: v1(23.39,79.79) 23.39,79.99 23.2,80.18 23.2,81.32 23.16,81.36 22.88,81.36 22.83,81.41 22.83,81.68 22.87,81.72 23.13,81.72 23.2,81.79 23.2,82.01 23.06,82.15 J2.15
